# Altium PCB AIgle_Carrier_Board.PcbDoc (continued)
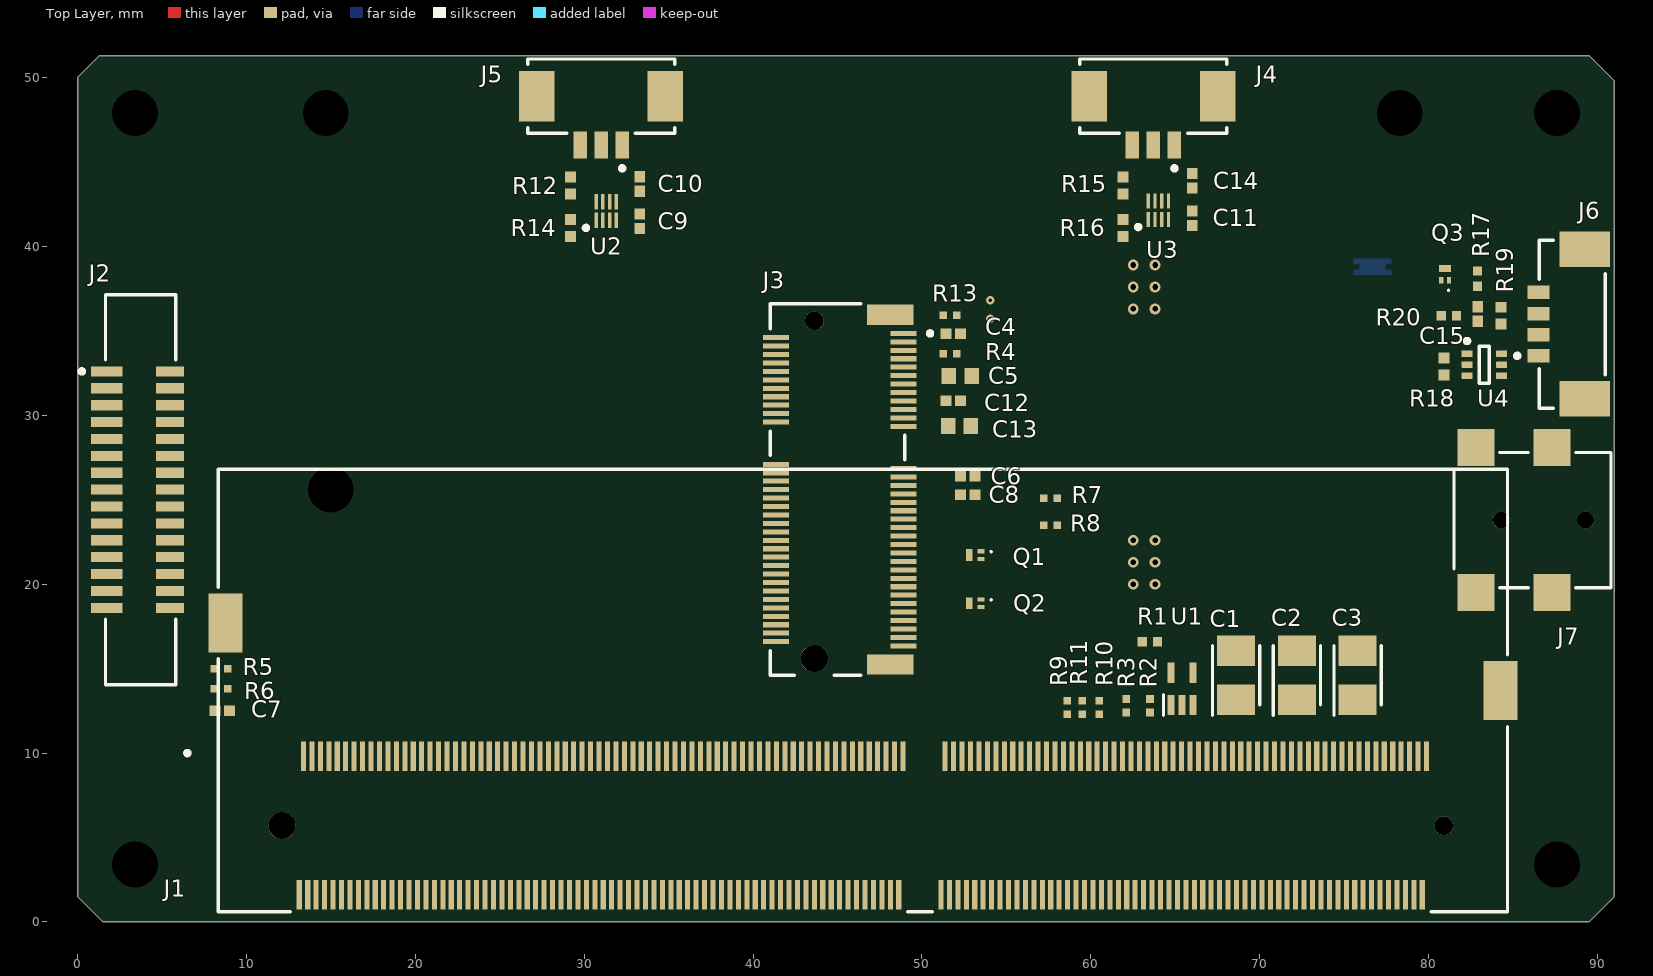
[diagram p0: Top Layer view]
## Footprints (in the part's own frame and the unit in brackets; to place one, negate y for a bottom-side part, rotate by r counter-clockwise, add the part's x,y. Pads: shape width x height; smd on the part's side, far side on the other; paste and mask are expansions set on the pad) (continued)
  rect 0.25x0.55 smd: 7(-0.75,-1.35) 8(-0.25,-1.35) 9(0.25,-1.35) 10(0.75,-1.35) 17(0.75,1.35) 18(0.25,1.35) 19(-0.25,1.35) 20(-0.75,1.35)
  rect 1.75x1.75 smd: 21(0,0)
  silkscreen extent -2.3,1.2 -2.1,1.4, body extent -1.5,-1.5 1.5,1.5, height 0.7
FAIR-SOD-123-2_V [mm] "SOD123, 2-Leads, Body 2.7x1.6mm"
  rect 0.88x1.02 smd: 1(-1.635,0) 2(1.635,0)
  silkscreen extent -0.92,-0.8 2.58,0.8, body extent -1.35,-0.8 1.35,0.8, height 1.28
FP-1-1734248-5-MFG [mm]
  rect 0.6x1.65 smd: 1(7,-1.75) 2(6,-1.75) 3(5,-1.75) 4(4,-1.75) 5(3,-1.75) 6(2,-1.75) 7(1,-1.75) 8(0,-1.75) 9(-1,-1.75) 10(-2,-1.75) 11(-3,-1.75) 12(-4,-1.75) 13(-5,-1.75) 14(-6,-1.75) 15(-7,-1.75)
  rect 0.6x1.85 smd: 1(7,2) 2(6,2) 3(5,2) 4(4,2) 5(3,2) 6(2,2) 7(1,2) 8(0,2) 9(-1,2) 10(-2,2) 11(-3,2) 12(-4,2) 13(-5,2) 14(-6,2) 15(-7,2)
  silkscreen extent -11.55,-2.07 11.55,3.6, body extent -11.65,-2.67 11.65,3.02, height 0.25
FP-6_541-5014_01-4-MFG [mm]
  rect 0.9x0.7 smd: 1(-1,0.95) 2(-1,-0.95) 3(1,0)
  silkscreen extent -0.71,-1.55 0.71,1.55, body extent -1.24,-1.48 1.24,1.47, height 1.15
FP-53261-0371-MFG [mm]
  rect 0.8x1.6 smd: 1(-1.25,2.9) 2(0,2.9) 3(1.25,2.9)
  rect 2.1x3 smd: 4(-3.8,0) 5(3.8,0)
  silkscreen extent -4.35,-2.2 4.35,4.4, body extent -4.95,-2.3 4.95,3.8, height 0.25
FP-2199230-4-MFG [mm]
  rect 0.3x1.55 smd: 1(-9.25,3.9) 2(-9,-3.65) 3(-8.75,3.9) 4(-8.5,-3.65) 5(-8.25,3.9) 6(-8,-3.65) 7(-7.75,3.9) 8(-7.5,-3.65) 9(-7.25,3.9) 10(-7,-3.65) 11(-6.75,3.9) 12(-6.5,-3.65) 13(-6.25,3.9) 14(-6,-3.65) 15(-5.75,3.9) 16(-5.5,-3.65) 17(-5.25,3.9) 18(-5,-3.65) 19(-4.75,3.9) 20(-4.5,-3.65) 21(-4.25,3.9) 22(-4,-3.65) 23(-3.75,3.9) 32(-1.5,-3.65) 33(-1.25,3.9) 34(-1,-3.65) 35(-0.75,3.9) 36(-0.5,-3.65) 37(-0.25,3.9) 38(0,-3.65) 39(0.25,3.9) 40(0.5,-3.65) 41(0.75,3.9) 42(1,-3.65) 43(1.25,3.9) 44(1.5,-3.65) 45(1.75,3.9) 46(2,-3.65) 47(2.25,3.9) 48(2.5,-3.65) 49(2.75,3.9) 50(3,-3.65) 51(3.25,3.9) 52(3.5,-3.65) 53(3.75,3.9) 54(4,-3.65) 55(4.25,3.9) 56(4.5,-3.65) 57(4.75,3.9) 58(5,-3.65) 59(5.25,3.9) 60(5.5,-3.65) 61(5.75,3.9) 62(6,-3.65) 63(6.25,3.9) 64(6.5,-3.65) 65(6.75,3.9) 66(7,-3.65) 67(7.25,3.9) 68(7.5,-3.65) 69(7.75,3.9) 70(8,-3.65) 71(8.25,3.9) 72(8.5,-3.65) 73(8.75,3.9) 74(9,-3.65) 75(9.25,3.9)
  rect 1.2x2.75 smd: 76(-10.35,3.125) 77(10.35,3.125)
  round 1.1 hole 1.1 unplated: ""(-10,-1.375)
  round 1.6 hole 1.6 unplated: ""(10,-1.375)
  silkscreen extent -11,-3.98 11,5.6, body extent -10.95,-4.23 10.95,4.48, height 4.2
FP-2309413-1-MFG [mm]
  rect 0.3x1.75 smd: 1(33.375,12.1) 2(33.125,3.9) 3(32.875,12.1) 4(32.625,3.9) 5(32.375,12.1) 6(32.125,3.9) 7(31.875,12.1) 8(31.625,3.9) 9(31.375,12.1) 10(31.125,3.9) 11(30.875,12.1) 12(30.625,3.9) 13(30.375,12.1) 14(30.125,3.9) 15(29.875,12.1) 16(29.625,3.9) 17(29.375,12.1) 18(29.125,3.9) 19(28.875,12.1) 20(28.625,3.9) 21(28.375,12.1) 22(28.125,3.9) 23(27.875,12.1) 24(27.625,3.9) 25(27.375,12.1) 26(27.125,3.9) 27(26.875,12.1) 28(26.625,3.9) 29(26.375,12.1) 30(26.125,3.9) 31(25.875,12.1) 32(25.625,3.9) 33(25.375,12.1) 34(25.125,3.9) 35(24.875,12.1) 36(24.625,3.9) 37(24.375,12.1) 38(24.125,3.9) 39(23.875,12.1) 40(23.625,3.9) 41(23.375,12.1) 42(23.125,3.9) 43(22.875,12.1) 44(22.625,3.9) 45(22.375,12.1) 46(22.125,3.9) 47(21.875,12.1) 48(21.625,3.9) 49(21.375,12.1) 50(21.125,3.9) 51(20.875,12.1) 52(20.625,3.9) 53(20.375,12.1) 54(20.125,3.9) 55(19.875,12.1) 56(19.625,3.9) 57(19.375,12.1) 58(19.125,3.9) 59(18.875,12.1) 60(18.625,3.9) 61(18.375,12.1) 62(18.125,3.9) 63(17.875,12.1) 64(17.625,3.9) 65(17.375,12.1) 66(17.125,3.9) 67(16.875,12.1) 68(16.625,3.9) 69(16.375,12.1) 70(16.125,3.9) 71(15.875,12.1) 72(15.625,3.9) 73(15.375,12.1) 74(15.125,3.9) 75(14.875,12.1) 76(14.625,3.9) 77(14.375,12.1) 78(14.125,3.9) 79(13.875,12.1) 80(13.625,3.9) 81(13.375,12.1) 82(13.125,3.9) 83(12.875,12.1) 84(12.625,3.9) 85(12.375,12.1) 86(12.125,3.9) 87(11.875,12.1) 88(11.625,3.9) 89(11.375,12.1) 90(11.125,3.9) 91(10.875,12.1) 92(10.625,3.9) 93(10.375,12.1) 94(10.125,3.9) 95(9.875,12.1) 96(9.625,3.9) 97(9.375,12.1) 98(9.125,3.9) 99(8.875,12.1) 100(8.625,3.9) 101(8.375,12.1) 102(8.125,3.9) 103(7.875,12.1) 104(7.625,3.9) 105(7.375,12.1) 106(7.125,3.9) 107(6.875,12.1) 108(6.625,3.9) 109(6.375,12.1) 110(6.125,3.9) 111(5.875,12.1) 112(5.625,3.9) 113(5.375,12.1) 114(5.125,3.9) 115(4.875,12.1) 116(4.625,3.9) 117(4.375,12.1) 118(4.125,3.9) 119(3.875,12.1) 120(3.625,3.9) 121(3.375,12.1) 122(3.125,3.9) 123(2.875,12.1) 124(2.625,3.9) 125(2.375,12.1) 126(2.125,3.9) 127(1.875,12.1) 128(1.625,3.9) 129(1.375,12.1) 130(1.125,3.9) 131(0.875,12.1) 132(0.625,3.9) 133(0.375,12.1) 134(0.125,3.9) 135(-0.125,12.1) 136(-0.375,3.9) 137(-0.625,12.1) 138(-0.875,3.9) 139(-1.125,12.1) 140(-1.375,3.9) 141(-1.625,12.1) 142(-1.875,3.9) 143(-2.125,12.1) 144(-2.375,3.9) 145(-4.625,12.1) 147(-5.125,12.1) 149(-5.625,12.1) 151(-6.125,12.1) 153(-6.625,12.1) 155(-7.125,12.1) 157(-7.625,12.1) 159(-8.125,12.1) 161(-8.625,12.1) 163(-9.125,12.1) 165(-9.625,12.1) 167(-10.125,12.1) 169(-10.625,12.1) 171(-11.125,12.1) 173(-11.625,12.1) 175(-12.125,12.1) 177(-12.625,12.1) 179(-13.125,12.1) 181(-13.625,12.1) 183(-14.125,12.1) 185(-14.625,12.1) 187(-15.125,12.1) 189(-15.625,12.1) 191(-16.125,12.1) 193(-16.625,12.1) 195(-17.125,12.1) 197(-17.625,12.1) 199(-18.125,12.1) 201(-18.625,12.1) 203(-19.125,12.1) 205(-19.625,12.1) 207(-20.125,12.1) 209(-20.625,12.1) 211(-21.125,12.1) 213(-21.625,12.1) 215(-22.125,12.1) 217(-22.625,12.1) 219(-23.125,12.1) 221(-23.625,12.1) 223(-24.125,12.1) 225(-24.625,12.1) 227(-25.125,12.1) 229(-25.625,12.1) 231(-26.125,12.1) 233(-26.625,12.1) 235(-27.125,12.1) 237(-27.625,12.1) 239(-28.125,12.1) 241(-28.625,12.1) 243(-29.125,12.1) 245(-29.625,12.1) 247(-30.125,12.1) 249(-30.625,12.1) 251(-31.125,12.1)
  rect 0.3x1.75 smd paste+0 mask+0: 146(-4.875,3.9) 148(-5.375,3.9) 150(-5.875,3.9) 152(-6.375,3.9) 154(-6.875,3.9) 156(-7.375,3.9) 158(-7.875,3.9) 160(-8.375,3.9) 162(-8.875,3.9) 164(-9.375,3.9) 166(-9.875,3.9) 168(-10.375,3.9) 170(-10.875,3.9) 172(-11.375,3.9) 174(-11.875,3.9) 176(-12.375,3.9) 178(-12.875,3.9) 180(-13.375,3.9) 182(-13.875,3.9) 184(-14.375,3.9) 186(-14.875,3.9) 188(-15.375,3.9) 190(-15.875,3.9) 192(-16.375,3.9) 194(-16.875,3.9) 196(-17.375,3.9) 198(-17.875,3.9) 200(-18.375,3.9) 202(-18.875,3.9) 204(-19.375,3.9) 206(-19.875,3.9) 208(-20.375,3.9) 210(-20.875,3.9) 212(-21.375,3.9) 214(-21.875,3.9) 216(-22.375,3.9) 218(-22.875,3.9) 220(-23.375,3.9) 222(-23.875,3.9) 224(-24.375,3.9) 226(-24.875,3.9) 228(-25.375,3.9) 230(-25.875,3.9) 232(-26.375,3.9) 234(-26.875,3.9) 236(-27.375,3.9) 238(-27.875,3.9) 240(-28.375,3.9) 242(-28.875,3.9) 244(-29.375,3.9) 246(-29.875,3.9) 248(-30.375,3.9) 250(-30.875,3.9) 252(-31.375,3.9) 253(-31.625,12.1) 254(-31.875,3.9) 255(-32.125,12.1) 256(-32.375,3.9) 257(-32.625,12.1) 258(-32.875,3.9) 259(-33.125,12.1) 260(-33.375,3.9)
  rect 2x3.5 smd paste+0 mask+0: 261(-37.75,0) 262(37.75,-4)
  round 1.1 hole 1.1 unplated: ""(-34.4,8)
  round 1.6 hole 1.6 unplated: ""(34.4,8)
  silkscreen extent -38.18,-13.1 40.12,13.1, body extent -39.1,-13.2 39.1,13.2, height 0.25
FP-533980471-MFG [mm]
  rect 0.8x1.3 smd: 1(1.875,-2) 2(0.625,-2) 3(-0.625,-2) 4(-1.875,-2)
  rect 2.1x3 smd: 5(-4.425,0.75) 6(4.425,0.75)
  silkscreen extent -4.97,-3.37 4.97,1.95, body extent -5.58,-2.75 5.58,2.35, height 0.25
FP-C0603-CG-MFG [mm]
  rect 0.75x0.9 smd: 1(-0.6,0) 2(0.6,0)
  silkscreen extent -0.87,-0.85 0.87,0.85, body extent -0.8,-0.4 0.8,0.4, height 0.9
FP-C-07431-MFG [mm]
  round 0.855 smd: 1-2-5-6(-0.325,0)
  rect 0.3x0.35 smd: 3(0.65,-0.925) 4(0.65,0.925)
  rect 0.235x0.87 smd: 7(0.667,0.04)
  Top Layer region: -0.8,1.1 -0.8,-1.1 -0.5,-1.1 -0.5,-0.75 -0.15,-0.75 -0.15,-1.1 0.15,-1.1 0.15,1.1 -0.15,1.1 -0.15,0.75 -0.5,0.75 -0.5,1.1 -0.8,1.1
  silkscreen extent -1.25,-1.78 1.25,1.07, body extent -1.02,-1.04 1.02,1.03, height 0.8
FP-DDA0008E-MFG [mm]
  rect 2.2x0.5 smd: 1(-2.875,1.905) 2(-2.875,0.635) 3(-2.875,-0.635) 4(-2.875,-1.905) 5(2.875,-1.905) 6(2.875,-0.635) 7(2.875,0.635) 8(2.875,1.905)
  rect 2.95x4.9 smd: 9(0,0)
  silkscreen extent -4.67,-2.83 2,2.83, body extent -3,-2.45 3,2.45, height 1.7
FP-GRM21-0_2-MFG [mm]
  rect 0.7x1.3 smd: 1(-0.95,0) 2(0.95,0)
  silkscreen extent -0.23,-0.72 0.23,0.72, body extent -1,-0.63 1,0.63, height 1.45
MICROSMP(ESMP) [mm]
  rect 2x1.1 smd: 1(-0.65,0)
  rect 0.8x0.8 smd: 2(1.25,0)
  silkscreen extent -2.41,-0.11 -2.24,0.07
NXP-SOT323-3_L [mm] "SOT323, 3-Leads, Body 2x1.3mm, Pitch 0.65mm, IPC High Density"
  rect 0.9x0.508 smd: 1(-0.9,0.65) 2(-0.9,-0.65) 3(0.9,0)
  silkscreen extent -1.02,-1.1 0.7,1.57, body extent -0.7,-1.1 0.7,1.1, height 1
RESC1005X40X25LL05T05 [mm] "Chip Resistor, 2-Leads, Body 1.00x0.50mm, IPC High Density"
  rect 0.45x0.45 smd: 1(-0.4,0) 2(0.4,0)
  body extent -0.53,-0.27 0.53,0.28, height 0.4
RESC1005X40X25ML05T05 [mm] "Chip Resistor, 2-Leads, Body 1.05x0.55mm, IPC Low Density"
  rect 0.65x0.65 smd: 1(-0.5,0) 2(0.5,0)
  body extent -0.53,-0.28 0.53,0.28, height 0.4
RESC1005X40X25NL05T05 [mm] "Chip Resistor, 2-Leads, Body 1.00x0.50mm, IPC Medium Density"
  rect 0.55x0.55 smd: 1(-0.45,0) 2(0.45,0)
  body extent -0.53,-0.27 0.53,0.28, height 0.4
"SMD 0805-Low profile" [mm] "Chip Inductor, 2-Leads, Body 2.1x1.3mm, IPC Medium Density"
  rect 0.7x1.45 smd: 1(-0.75,0) 2(0.75,0)
  body extent -1,-0.62 1,0.63, height 0.48
"SMD 0806" [mm] "Chip Inductor, 2-Leads, Body 2.1x1.6mm, IPC Medium Density"
  rect 0.8x1.8 smd: 1(-0.8,0) 2(0.8,0)
  body extent -1,-0.8 1,0.8, height 1
SON40P120X180X40-8N [mm]
  rect 0.9x0.2 smd: 1(-0.55,0.6) 2(-0.55,0.2) 3(-0.55,-0.2) 4(-0.55,-0.6) 5(0.55,-0.6) 6(0.55,-0.2) 7(0.55,0.2) 8(0.55,0.6)
  silkscreen extent -1.12,1.07 -0.88,1.32, body extent -0.65,-0.9 0.65,0.9, height 0.4
SOT65P210X110-3N [mil]
  rect 44x18 smd: 1(-38,26) 2(-38,-26) 3(38,0)
  silkscreen extent -27,-43 27,43
SOT65P210X110-5N [mm]
  rect 1.2x0.4 smd: 1(-0.95,0.65) 2(-0.95,0) 3(-0.95,-0.65) 4(0.95,-0.65) 5(0.95,0.65)
  silkscreen extent -1.55,1.1 -0.35,1.1, body extent -1.05,-1 1.05,1, height 1.1
SOT95P275X110-5N [mm]
  rect 1.25x0.6 smd: 1(-1.25,0.95) 2(-1.25,0) 3(-1.25,-0.95) 4(1.25,-0.95) 5(1.25,0.95)
  silkscreen extent -1.88,-1.5 0.28,1.5, body extent -1.37,-1.5 1.38,1.5, height 1.1

## Part data
C1 C2 C3: library part T520B337M006ATE040, "Capacitor Polarised", Manufacturer_Name=Kemet, Mouser Part Number=80-T520B337M06ATE040, Arrow Part Number=T520B337M006ATE040, Arrow Price/Stock=https://www.arrow.com/en/products/t520b337m006ate040/kemet-corporation, Datasheet Link=http://componentsearchengine.com/Datasheets/2/T520B337M006ATE040.pdf, Height=2.1mm, Manufacturer_Part_Number=T520B337M006ATE040, Mouser Price/Stock=https://www.mouser.com/Search/Refine.aspx?Keyword=80-T520B337M06ATE040
C4 C6 C7 C8 C9 C10 C11 C12 C14 C15 C18 C24 C29 C32 C33: library part CMP-2008-03087-1, Manufacturer=Kemet, Part Number=C0402C104K9RACTU
C5 C13 C21 C22 C30 C31: library part CMP-2006-02792-1, Manufacturer=Murata, Part Number=GRM188R60J106ME47D
C16 C17: library part CMP-06035-000059-1, "CAP CER 22UF 25V X5R 0805", Manufacturer=Murata, Manufacturer Part Number=GRM21BR61E226ME44L, Package=GRM21-0.2, Temperature="-55°C to +85°C", Temperature Characteristic=X5R, Temperature Coefficient=15%, Temperature Range High=+85°C, Temperature Range Low=-55°C, Tolerance=20%, Voltage Rating=25V, Automotive=No, Capacitance=22uF, Category=Cap, ComponentLink2Description=Datasheet, ComponentLink2URL=https://search.murata.co.jp/Ceramy/image/img/A01X/G101/ENG/GRM21BR61E226ME44-01A.pdf, Device Class L1="Passive Components", Device Class L2=Capacitors, Device Class L3="Ceramic Capacitors", Digikey Description="CAP CER 22UF 25V X5R 0805", Height=1.45mm, Ipc Land Pattern Name=CAPC200125X125, Lead Free=Yes, Material=Ceramic, Mouser Description="Multilayer Ceramic Capacitors MLCC - SMD/SMT 0805 22uF 25volts X5R 20%", Octopart=https://octopart.com/grm21br61e226me44l-murata-20025355, RoHS=TRUE
C19: library part CMP-2006-02459-1, Manufacturer=Murata, Part Number=GRM188R61E105KA12D
C20: library part CMP-03020-024641-1, "CAP CER 4.7UF 6.3V X5R 0603", Manufacturer=Kemet, Manufacturer Part Number=C0603C475K9PACTU, Package=C0603-CG, Temperature="-55°C to +85°C", Temperature Characteristic=X5R, Temperature Coefficient=15%, Temperature Range High=+85°C, Temperature Range Low=-55°C, Tolerance=10%, Voltage Rating=6.3V, Automotive=No, Capacitance=4.7uF, Category=Cap, ComponentLink2Description=Datasheet, ComponentLink2URL=https://content.kemet.com/datasheets/KEM_C1006_X5R_SMD.pdf, Device Class L1="Passive Components", Device Class L2=Capacitors, Device Class L3="Ceramic Capacitors", Digikey Description="CAP CER 4.7UF 6.3V X5R 0603", Height=0.9mm, Ipc Land Pattern Name=CAPC16080X80, Lead Free=Yes, Material=Ceramic, Mouser Description="Multilayer Ceramic Capacitors MLCC - SMD/SMT 6.3volts 4.7uF X5R 10%", Octopart=https://octopart.com/c0603c475k9pactu-kemet-104242, RoHS=TRUE
C23 C43: library part CMP-2008-03072-1, Manufacturer=Kemet, Part Number=C0402C103K4RACTU
C25 C26 C34 C35: library part CMP-2000-05440-1, "Chip Capacitor, 22 uF, +/- 20%, 6.3 V, -55 to 85 degC, 1608 (0603 Metric), RoHS, Tape and Reel", Capacitance=22µF, Manufacturer=TDK, Operating Temperature=-55degC~85degC, Package / Case=0603(1608Metric), Package Description="2-Pin Surface Mount Device, Body 1.6 x 0.8 mm", Package Reference=603, PCN Part Number=MLCCPartNumberChange30/Nov/2012, Ratings=-, Standard Package=1, Temperature Coefficient=X5R, Tolerance=±20%, Voltage - Rated=6.3V, Applications=GeneralPurpose, Category=Capacitors, Datasheet URL=http://www.farnell.com/datasheets/1913358.pdf, Datasheet Version=Mar-15, Design Resources=20WNon-IsolatedBuckLEDDriverUsingPLLNK460KG, Family=CeramicCapacitors, Features=-, Height - Seated (Max)=-, Kits=445-9003-KIT-ND-KITCAPCERHICAPMLCCSMD, Lead Spacing=-, Lead Style=-, Manufacturer URL=http://www.tdk.com/, Mounting Type=SurfaceMount,MLCC, Online Catalog=CSeries,GeneralPurpose, Other Names=445-8028-1, Packaging=CutTape(CT), Product Training Modules=CSeriesGeneralApplicationsSEAT,CCV,andTVCLDesignToolsGuidetoReplacinganElectrolyticCapacitorwithanMLCC, RoHS Information=RoHSCertificate-MLCC, Series=C, Size / Dimension="0.063\"Lx0.031\"W(1.60mmx0.80mm)", Thickness (Max)="0.039\"(1.00mm)"
C27 C36 C38 C41 C42: library part CMP-2008-02075-1, Manufacturer=Kemet, Part Number=C0402C105K9PAC7867
C28 C37: library part CMP-2008-03262-1, Manufacturer=Kemet, Part Number=C0402C822K5RACTU
C39: library part CMP-2008-03076-1, Manufacturer=Kemet, Part Number=C0402C103K9RACTU
C40: library part CMP-2008-02055-1, Manufacturer=Kemet, Part Number=C0402C225K9PACTU
D1: "TVS Diode (Uni-directional)", Arrow Part Number=MSMP20A-M3/89A, Manufacturer_Name=Vishay, Mouser Part Number=78-MSMP20A-M389A, Arrow Price/Stock=https://www.arrow.com/en/products/msmp20a-m389a/vishay, Datasheet Link=https://www.vishay.com/docs/89457/msmp6athrumsmp20a.pdf, Manufacturer_Part_Number=MSMP20A-M3/89A, Mouser Price/Stock=https://www.mouser.com/Search/Refine.aspx?Keyword=78-MSMP20A-M389A
D2: library part CMP-2000-06744-1, "Zener Diode, 18 V, -55 to 150 degC, 2-Pin SOD-123, RoHS, Tape and Reel", Forward voltage reference=10mA, Manuf. Code=FSC, Manufacturer=FairchildSemiconductor, Max. operating temperature=+150°C, Max. power=500mW, Operating temperature (min.)=-55°C, Package Description="2-Pin Surface Mount Device, Body 2.7 x 1.6 mm", Package Reference=SOD-123-2, Residual reverse leakage current=0.1µA, Zener voltage=18V, Category=Zenerdiode, Configuration=1diode, Datasheet URL=https://www.fairchildsemi.com/datasheets/MM/MMSZ5226B.pdf, Datasheet Version="Rev. 1.6, 10/2015", Enclosure=SOD123, Impedance=21Ω, Impedance reference=7mA, Manufacturer URL=https://www.fairchildsemi.com/, Mounting Technology=SurfaceMount, Mounting Type=Surface-mount, Type=MMSZ5248B, UF=900mV, Uz (max.)=18.9V, Uz(min.)=17.1V
D3: library part CMP-0417-00001-1, "SOT-323 Plastic-Encapsulated Diode", Manufacturer="NXP Semiconductors", Max Forward Current="200 mA", Non-repetitive Peak Reverse Current="600 mA", Storage Temperature="-65 to 150 degC", ComponentLink1Description="Manufacturer URL", ComponentLink1URL=http://www.nxp.com/, ComponentLink2Description=Datasheet, ComponentLink2URL=http://www.nxp.com/documents/data_sheet/BAT54W_SER.pdf, ComponentLink3Description="Package Specification", ComponentLink3URL=http://www.nxp.com/documents/outline_drawing/sot323_po.pdf, DatasheetVersion="Rev. 3, 11/2012", Mounting Technology="Surface Mount", PackageDescription="3-Pin SOT323, 2 x 1.3 mm Body, 0.65 mm Pitch", PackageReference=SOT323-3, PackageVersion=Mar-06, PartNumber=BAT54CW
D4: library part CMP-02541-000017-1, "DIODE ZENER 3.3V 300MW SOT23", Manufacturer=Vishay, Max Junction Temp=+150°C, Max Reverse Leakage Current=5uA, Max Zener Voltage=3.5V, Nom Zener Voltage=3.3V, Package=6.541-5014.01-4, Power Dissipation=300mW, Reverse Voltage=1V, Temperature="-55°C to +150°C", Temperature Range Low=-55°C, Automotive=No, Category=Diode, ComponentLink2Description=Datasheet, ComponentLink2URL=http://www.vishay.com/docs/85763/bzx84v.pdf, Device Class L1="Discrete Semiconductors", Device Class L2=Diodes, Device Class L3="Zener Diodes", Digikey Description="DIODE ZENER 3.3V 300MW SOT23", Height=1.15mm, Lead Free=Yes, Manufacturer Part Number=BZX84C3V3-E3-08, Mouser Description="Zener Diodes 3.3 Volt 0.35W 5%", Octopart=https://octopart.com/bzx84c3v3-e3-08-vishay-30324846, RoHS=TRUE, Temperature Range High=+150°C, Zener Impedance=95Ω
J1: library part CMP-03356-000001-1, "DDR4 SODIMM 260P 9.2H STD", Current Rating=0.5A, Manufacturer="TE Connectivity", Package=0, Temperature="-55°C to +85°C", Temperature Range High=+85°C, Temperature Range Low=-55°C, Voltage Rating=25V, Automotive=No, Category=Conn, ComponentLink2Description=Datasheet, ComponentLink2URL=https://www.te.com/commerce/DocumentDelivery/DDEController?Action=showdoc&DocId=Specification+Or+Standard%7F108-115122%7FA1%7Fpdf%7FEnglish%7FENG_SS_108-115122_A1.pdf%7F2309413-1, Conn Orientation=Horizontal, Contact Material=Gold,Nickel, Device Class L1=Connectors, Device Class L2="Memory Connectors", Device Class L3=unset, Digikey Description="DDR4 SODIMM 260P 9.2H STD", Footprint Url=https://www.te.com/commerce/DocumentDelivery/DDEController?Action=showdoc&DocId=Customer+Drawing%7F2309413%7F4%7Fpdf%7FEnglish%7FENG_CD_2309413_4.pdf%7F2309413-1, Height=18.8mm, Is Female=yes, Lead Free=Yes, Manufacturer Part Number=2309413-1, Memory Type=SDRAM,DDR, Mouser Description="Conn DDR4 DIMM Socket SKT 260 POS 0.5mm Solder RA SMD T/R", Number Of Contacts=260, Octopart=https://octopart.com/2309413-1-te+connectivity-84799194, Pitch=0.5mm, RoHS=TRUE
J2: library part CMP-03368-000001-1, "CONN FPC VERT 15POS 1.00MM SMD", Current Rating=1A, Manufacturer=TE, Package=0, Temperature="-20°C to +85°C", Temperature Range High=+85°C, Temperature Range Low=-20°C, Voltage Rating=125V, Automotive=No, Category=Conn, ComponentLink2Description=Datasheet, ComponentLink2URL=https://www.te.com/commerce/DocumentDelivery/DDEController?Action=showdoc&DocId=Customer+Drawing%7F1734248%7FE1%7Fpdf%7FEnglish%7FENG_CD_1734248_E1__.pdf%7F1-1734248-5, Conn Gender=Female, Conn Orientation=Vertical, Contact Material=Gold,Nickel, Device Class L1=Connectors, Device Class L2="FFC / FPC", Device Class L3=unset, Digikey Description="CONN FPC VERT 15POS 1.00MM SMD", Height=8mm, Is Female=yes, Lead Free=Yes, Manufacturer Part Number=1-1734248-5, Mounting Type="Surface Mount", Mouser Description="FFC & FPC Connectors 15P 1.0 FPC, Zip V/T SMT", Number Of Contacts=15, Octopart=https://octopart.com/1-1734248-5-te+connectivity-40620898, Pitch=1mm, RoHS=TRUE
J3: library part CMP-03365-000002-1, "CONN FEMALE 67POS 0.020 GOLD", Current Rating=0.5A, Manufacturer="TE Connectivity", Package=0, Temperature="-40°C to +80°C", Temperature Range High=+80°C, Temperature Range Low=-40°C, Voltage Rating=50V, Automotive=No, Category=Conn, ComponentLink2Description=Datasheet, ComponentLink2URL=https://www.te.com/commerce/DocumentDelivery/DDEController?Action=showdoc&DocId=Customer+Drawing%7F2199230%7FB3%7Fpdf%7FEnglish%7FENG_CD_2199230_B3.pdf%7F2199230-4, Conn Gender=Female, Conn Orientation="Right Angle", Contact Material=Gold,Nickel, Device Class L1=Connectors, Device Class L2="Card Edge Connectors", Device Class L3=unset, Digikey Description="CONN FEMALE 67POS 0.020 GOLD", Height=4.2mm, Is Female=yes, Lead Free=Yes, Manufacturer Part Number=2199230-4, Mouser Description="PCI Express / PCI Connectors .5PITCH 4.2H KEY E EMBOSS NGFF MINICARD", Number Of Contacts=67, Number Of Rows=2, Octopart=https://octopart.com/2199230-4-te+connectivity-46436156, Pitch=0.5mm, RoHS=TRUE
J4 J5: library part CMP-04776-000071-1, "CONN HEADER SMD R/A 3POS 1.25MM", Ambient Temperature Range High=+105°C, Ambient Temperature Range Low=-40°C, Current Rating=1A, Manufacturer=Molex, Package=0, Temperature="-40°C to +105°C", Voltage Rating=125V, Automotive=No, Category=Conn, ComponentLink2Description=Datasheet, ComponentLink2URL=https://www.molex.com/webdocs/datasheets/pdf/en-us/0532610371_PCB_HEADERS.pdf, Conn Gender=Male, Conn Orientation="Right Angle", Contact Material=Tin,Nickel, Device Class L1=Connectors, Device Class L2="Headers and Wire Housings", Device Class L3=unset, Digikey Description="CONN HEADER SMD R/A 3POS 1.25MM", Footprint Url=https://www.molex.com/pdm_docs/sd/532610371_sd.pdf, Height=3.6mm, Lead Free=Yes, Manufacturer Part Number=53261-0371, Mouser Description="1.25mm (.049\") Pitch PicoBlade Header, Surface Mount, Right Angle, Lead-free, 3 Circuits", Number Of Contacts=3, Number Of Rows=1, Octopart=https://octopart.com/53261-0371-molex-655314, Pitch=1.25mm, RoHS=TRUE, Temperature Range High=+105°C, Temperature Range Low=-40°C
J6: library part CMP-04776-000105-1, "CONN HEADER SMD 4POS 1.25MM", Ambient Temperature Range High=+105°C, Ambient Temperature Range Low=-40°C, Current Rating=1A, Manufacturer=Molex, Package=0, Temperature="-40°C to +105°C", Voltage Rating=125V, Automotive=No, Category=Conn, ComponentLink2Description=Datasheet, ComponentLink2URL=https://www.molex.com/pdm_docs/ps/PS-51021-024-001.pdf, Conn Gender=Male, Conn Orientation=Vertical, Contact Material=Tin, Device Class L1=Connectors, Device Class L2="Headers and Wire Housings", Device Class L3=unset, Digikey Description="CONN HEADER SMD 4POS 1.25MM", Footprint Url=https://www.molex.com/pdm_docs/sd/533980471_sd.pdf, Height=5.1mm, Lead Free=Yes, Manufacturer Part Number=533980471, Number Of Contacts=4, Number Of Rows=1, Octopart=https://octopart.com/53398-0471-molex-655296, Pitch=1.25mm, RoHS=TRUE, Standoff Height=0.05mm, Temperature Range High=+105°C, Temperature Range Low=-40°C
J7: library part CMP-1502-00174-1, "DC Power Jack Connector Low Profile with 4 soldering pads & Pegs WR-DC, Male, Right Angled, SMT, 5 A, 18 V", Manufacturer="Wurth Elektronik", Operating Temperature=-40to85degC, Rated Current=5A, Working Voltage=18V, Datasheet URL=http://katalog.we-online.de/em/datasheet/6941xx107102.pdf, Gender=Male, Manufacturer URL=http://www.we-online.de, Mounting Technology=SMT, Opening Diameter=3.9mm, Orientation=RightAngled, Package Reference=694102107102, Packaging=TapeandReel, Part Number=694102107102, Plug Inner Diameter=1.05mm, Plug Outer Diameter=3.5mm, Publisher=WurthElektronik
L1: library part CMP-1392-00058-1, "Power Multilayer Inductor WE-PMI, L=3.30 µH", Inductance="3.30 ÂµH", Manufacturer="Wuerth Elektronik", PartNumber=74479776233, ComponentLink1Description="Manufacturer URL", ComponentLink1URL=http://www.we-online.com, ComponentLink2Description=Datasheet, ComponentLink2URL=http://katalog.we-online.de/kataloge/eisos/media/pdf/74479776233A.pdf, PackageReference="SMD 0806"
L2: library part CMP-1392-00044-1, "Power Multilayer Inductor WE-PMI, L=2.20 µH", Inductance="2.20 ÂµH", Manufacturer="Wuerth Elektronik", PartNumber=74479774222, ComponentLink1Description="Manufacturer URL", ComponentLink1URL=http://www.we-online.com, ComponentLink2Description=Datasheet, ComponentLink2URL=http://katalog.we-online.de/kataloge/eisos/media/pdf/74479774222.pdf, PackageReference="SMD 0805-Low profile"
Q1 Q2 Q3 Q6 Q7: "MOSFET (N-Channel)", Manufacturer_Name="Diodes Inc.", Mouser Part Number=621-DMN26D0UFB4-7, Arrow Part Number=DMN26D0UFB4-7, Arrow Price/Stock=https://www.arrow.com/en/products/dmn26d0ufb4-7/diodes-incorporated, Datasheet Link=https://componentsearchengine.com/Datasheets/1/DMN26D0UFB4-7.pdf, Height=0.4mm, Manufacturer_Part_Number=DMN26D0UFB4-7, Mouser Price/Stock=https://www.mouser.co.uk/ProductDetail/Diodes-Incorporated/DMN26D0UFB4-7?qs=GWgl%252BsiMZr%252B4pznsTuF3iQ%3D%3D
Q4: library part CMP-02550-000185-1, "MOSFET P-CH 30V 12A SC70-6", Continuous Drain Current=-10A, Drain To Source Breakdown Voltage=-30V, Drain To Source Resistance=0.016Ω, Gate To Source Voltage=20V, Input Capacitace At Vds="1550pF @ -15V", Manufacturer=Vishay, Max Forward Diode Voltage=-1.2V, Max Junction Temp=+150°C, Package=C-07431, Power Dissipation=3.5W, Pulse Drain Current=-40A, Temperature="-55°C to +150°C", Temperature Range Low=-55°C, Typ Forward Diode Voltage=-0.8V, Automotive=No, Category=Trans, ComponentLink2Description=Datasheet, ComponentLink2URL=http://www.vishay.com/docs/62779/sia483dj.pdf, Depletion Mode=False, Device Class L1="Discrete Semiconductors", Device Class L2=Transistors, Device Class L3=MOSFETs, Digikey Description="MOSFET P-CH 30V 12A SC70-6", Drain To Source Voltage=-30V, Gate Charge At Vgs="29nC @ -10V", Height=0.8mm, Lead Free=Yes, Manufacturer Part Number=SIA483DJ-T1-GE3, Mouser Description="MOSFET -30V 21mOhm@10V 12A P-Ch G-III", Number of Channels=1, Number Of P Channels=1, Octopart=https://octopart.com/sia483dj-t1-ge3-vishay-45727624, Reverse Recovery Charge=10nC, Reverse Recovery Time=17ns, RoHS=TRUE, Rthja Max=28°C/W, Standoff Height=0mm, Temperature Range High=+150°C, Threshold Vgs Max=-2.2V, Threshold Vgs Min=-1V, Transconductance=23S, Turn Off Delay Time=27ns, Turn On Delay Time=10ns
Q5: "Undefined or Miscellaneous", Manufacturer_Name="Diodes Inc.", Mouser Part Number=621-BSS84W-F, Arrow Part Number=BSS84W-7-F, Arrow Price/Stock=https://www.arrow.com/en/products/bss84w-7-f/diodes-incorporated, Datasheet Link=http://componentsearchengine.com/Datasheets/1/BSS84W-7-F.pdf, Manufacturer_Part_Number=BSS84W-7-F, Mouser Price/Stock=https://www.mouser.co.uk/ProductDetail/Diodes-Incorporated/BSS84W-7-F?qs=C%2FiXDRqWM5gURToIay7bAQ%3D%3D
Q8: library part CMP-2000-05568-1, "N-Channel Enhancement Mode Field Effect Transistor, 60 V (VDS), 0.115 A (IDS), -55 to 150 degC, 3-Pin SOT323, RoHS, Tape and Reel", Id - Continuous Drain Current=115mA, Manufacturer=DiodesIncorporated, Maximum Operating Temperature=+150C, Minimum Operating Temperature=-55C, Package / Case=SOT-323-3, Package Description="3-Pin Small Outline Transistor, Body 2 x 1.25 mm, Pitch 0.65 mm", Package Reference=SOT323, Pd - Power Dissipation=200mW, Rds On - Drain-Source Resistance=2.6Ohms, Vds - Drain-Source Breakdown Voltage=70V, Vgs - Gate-Source Voltage=20V, Brand=DiodesIncorporated, Channel Mode=Enhancement, Configuration=Single, Datasheet URL=http://www.diodes.com/_files/datasheets/ds30099.pdf, Datasheet Version="Rev. 14-2, 09/2013", Factory Pack Quantity=3000, Forward Transconductance - Min=0.08S, Height=1mm, Length=2.2mm, Manufacturer URL=http://www.diodes.com/, Mounting Style=SMD/SMT, Mounting Technology=SurfaceMount, Number of Channels=1Channel, Packaging=Reel, Product=MOSFETSmallSignal, Product Category=MOSFET, RoHS=True, Series=2N7002, Technology=Si, Transistor Polarity=N-Channel, Transistor Type=1N-Channel, Type=EnhancementModeFieldEffectTransistor, Typical Turn-Off Delay Time=11ns, Typical Turn-On Delay Time=7ns, Unit Weight=0.000212oz, Width=1.35mm
R1 R17 R20 R24 R27 R34 R41: library part CMP-2002-08136-1, Manufacturer="Vishay Dale", Part Number=CRCW040210K0JNED
R2 R3 R4 R5 R6 R7 R8 R9 R10 R11 R13: library part CMP-2002-00026-1, Manufacturer="Vishay Dale", Part Number=CRCW040247K0JNED
R12 R14 R15 R16 R18 R22 R25 R30 R31 R32 R46 R48 R49 R51 R55: library part CMP-2002-08123-2, "Chip Resistor, 100 KOhm, +/- 1%, 0.63 W, -55 to 155 degC, 0402 (1005 Metric), RoHS, Tape and Reel", Case Code (Imperial)=0402, Case Code (Metric)=1005, Max Operating Temperature="155 degC", Min Operating Temperature="-55 degC", Package Quantity=10000, Power Rating="63 mW", Resistance="100 kohm", Tolerance=1%, Type (Resistor)="Thick Film", Voltage Rating="50 V", Case\Package=0402, ComponentLink1Description="Manufacturer URL", ComponentLink1URL=http://www.vishay.com/, ComponentLink2Description=Datasheet, ComponentLink2URL=http://www.vishay.com/docs/20035/dcrcwe3.pdf, DatasheetVersion=06/2012, Height="0.35 mm", Length="1 mm", Mount="Surface Mount", Mounting Technology="Surface Mount", PackageDescription="2-Pin Surface Mount Device, Body 1 x 0.5 mm", PackageReference=0402, Packaging="Tape and Reel", Pins=2, Radiation Hardening=No, REACH SVHC=Unknown, RoHSCompliant=true, Weight="2.3E-05 oz", Width="0.5 mm"
R19 R36: library part CMP-2002-00053-1, Manufacturer="Vishay BCcomponents", Part Number=CRCW04024K70JNED
R21: library part CMP-2002-08342-1, Manufacturer="Vishay Dale", Part Number=CRCW04021R00FKED
R23: library part CMP-2002-08244-1, Manufacturer="Vishay Dale", Part Number=CRCW0402174KFKED
R26: library part CMP-2002-08550-1, Manufacturer="Vishay Dale", Part Number=CRCW040236K0FKED
R28: library part CMP-2002-08173-1, Manufacturer="Vishay Dale", Part Number=CRCW0402124KFKED
R29 R43: library part CMP-2002-08380-1, Manufacturer="Vishay Dale", Part Number=CRCW040222K1FKED
R33: library part CMP-2002-08151-1, Manufacturer="Vishay Dale", Part Number=CRCW0402110RJNED
R35 R37 R38 R39 R40 R44 R45 R47: library part CMP-2002-08135-1, Manufacturer="Vishay Dale", Part Number=CRCW040210K0FKED
R42: library part CMP-2002-00203-1, Manufacturer="Vishay Dale", Part Number=CRCW040273K2FKED
R50: library part CMP-2002-00563-1, Manufacturer=Panasonic, Part Number=ERJ-2GEJ5R6X
R52: library part CMP-2002-00271-1, Manufacturer="Vishay Dale", Part Number=CRCW040291K0JNED
R53: library part CMP-2002-08207-1, Manufacturer="Vishay Dale", Part Number=CRCW040214K0FKED
R54: library part CMP-2002-00117-1, Manufacturer="Vishay Dale", Part Number=CRCW04025K11FKED
U1: "Integrated Circuit", Manufacturer_Name="Texas Instruments", Mouser Part Number=595-SN74LVC1G07DCKE4, Arrow Part Number=SN74LVC1G07DCKRE4, Arrow Price/Stock=https://www.arrow.com/en/products/sn74lvc1g07dckre4/texas-instruments, Datasheet Link=http://www.ti.com/lit/ds/symlink/sn74lvc1g07.pdf, Height=1.1mm, Manufacturer_Part_Number=SN74LVC1G07DCKRE4, Mouser Price/Stock=https://www.mouser.co.uk/ProductDetail/Texas-Instruments/SN74LVC1G07DCKRE4?qs=pajgIaoyDUhxFR39KLTAuA%3D%3D
U2 U3: "Integrated Circuit", Manufacturer_Name="Texas Instruments", Mouser Part Number=595-TXB0302DQMR, Arrow Part Number=TXB0302DQMR, Arrow Price/Stock=https://www.arrow.com/en/products/txb0302dqmr/texas-instruments, Datasheet Link=http://www.ti.com/lit/gpn/txb0302, Height=0.4mm, Manufacturer_Part_Number=TXB0302DQMR, Mouser Price/Stock=https://www.mouser.co.uk/ProductDetail/Texas-Instruments/TXB0302DQMR?qs=5771e39Rz9HEpqtrmqNQ0Q%3D%3D
U4: library part CMP-0859-00452-3, "Single-Bit Dual-Supply Bus Transceiver with Configurable Voltage Translation and 3-State Outputs, DCK0006A, LARGE T&R", F @ Nom Voltage(Max)(Mhz)=150, Generic Part Number=SN74LVC1T45, ICC @ Nom Voltage(Max)(mA)=0.004, Manufacturer="Texas Instruments", Operating Temperature Range(C)="-40 to 85", Rating=Catalog, tpd @ Nom Voltage(Max)(ns)=15.5,8,5.8,4.4, Voltage(Nom)(V)=1.8,2.5,3.3,5, 3-State Output=Yes, Bits(#)=1, DatasheetVersion=SCES515K, Input Type=CMOS/TTL, Logic=True, Output Drive (IOL/IOH)(Max)(mA)=32/-32, Output Type=CMOS, PackageReference=DCK0006A, Schmitt Trigger=No, Sub-Family="Dual Supply Translator", Technology Family=LVC, VCC(Max)(V)=5.5, VCC(Min)(V)=1.65
U5 U10: library part CMP-04918-000091-1, "IC REG BUCK ADJUSTABLE 5A 8SOPWR", Ambient Temperature Range High=+85°C, Ambient Temperature Range Low=-40°C, Manufacturer="Texas Instruments", Max Junction Temp=+150°C, Max Supply Voltage=18V, Min Supply Voltage=4.5V, Nominal Supply Current=900uA, Output Current=5mA, Output Voltage=0.76-6V, Package=DDA0008E, Switching Frequency=650kHz, Temperature="-40°C to +85°C", Automotive=No, Category=IC, ComponentLink2Description=Datasheet, ComponentLink2URL=http://www.ti.com/lit/ds/symlink/tps54527.pdf, Device Class L1="Integrated Circuits (ICs)", Device Class L2="Power Management ICs", Device Class L3="Voltage Regulators - Switching", Digikey Description="IC REG BUCK ADJUSTABLE 5A 8SOPWR", Height=1.7mm, Ipc Land Pattern Name=SOP127P600X170-8, Lead Free=Yes, Manufacturer Part Number=TPS54527DDAR, Max Duty Cycle=85%, Mouser Description="4.5V to 18V Input, 5-A Synchronous Step-Down Converter 8-SO PowerPAD -40 to 85", Number Of Outputs=1, Octopart=https://octopart.com/tps54527ddar-texas+instruments-20362751, Output Type=AdjustableProgrammable, RoHS=TRUE, Standoff Height=0mm, Switching Topology=Buck, Temperature Range High=+85°C, Temperature Range Low=-40°C
U6: "Integrated Circuit", Manufacturer_Name="ON Semiconductor", Mouser Part Number=863-NCP301LSN20T1G, Arrow Part Number=NCP301LSN20T1G, Arrow Price/Stock=https://www.arrow.com/en/products/ncp301lsn20t1g/on-semiconductor, Datasheet Link=http://www.onsemi.com/pub/Collateral/NCP300-D.PDF, Height=1.1mm, Manufacturer_Part_Number=NCP301LSN20T1G, Mouser Price/Stock=https://www.mouser.co.uk/ProductDetail/ON-Semiconductor/NCP301LSN20T1G?qs=%2FugrpAKHX8q7C9Mzamhz3w%3D%3D
U7 U8: "Integrated Circuit", Manufacturer_Name="Texas Instruments", Mouser Part Number=595-SN74LV1T125DCKR, Arrow Part Number=SN74LV1T125DCKR, Arrow Price/Stock=https://www.arrow.com/en/products/sn74lv1t125dckr/texas-instruments, Datasheet Link=http://www.ti.com/lit/gpn/sn74lv1t125, Height=1.1mm, Manufacturer_Part_Number=SN74LV1T125DCKR, Mouser Price/Stock=https://www.mouser.co.uk/ProductDetail/Texas-Instruments/SN74LV1T125DCKR?qs=8sOby8ZxZLEEpIbhoTKj7w%3D%3D
U9: library part CMP-0859-00290-3, "Single Buffer/Driver With Open-Drain Output, DCK0005A, LARGE T&R", F @ Nom Voltage(Max)(Mhz)=150, Generic Part Number=SN74LVC1G07, ICC @ Nom Voltage(Max)(mA)=0.01, Manufacturer="Texas Instruments", Operating Temperature Range(C)="-40 to 125,-40 to 85", Rating=Catalog, tpd @ Nom Voltage(Max)(ns)=8.6,6,4.7,4, Voltage(Nom)(V)=1.8,2.5,3.3,5, 3-State Output=No, Bits(#)=1, DatasheetVersion=SCES296AC, Input Type=CMOS/TTL, Logic=True, Output Drive (IOL/IOH)(Max)(mA)=32/-32, Output Type=CMOS, PackageReference=DCK0005A, Schmitt Trigger=No, Sub-Family="Non-Inverting Buffer/Driver", Technology Family=LVC, VCC(Max)(V)=5.5, VCC(Min)(V)=1.65
U11: "Integrated Circuit", Manufacturer_Name="Silicon Labs", Mouser Part Number=634-8SB10F2GAQF20, Arrow Part Number=EFM8SB10F2G-A-QFN20, Arrow Price/Stock=https://www.arrow.com/en/products/efm8sb10f2g-a-qfn20/silicon-labs, Datasheet Link=https://www.silabs.com/documents/public/data-sheets/efm8sb1-datasheet.pdf, Height=0.6mm, Manufacturer_Part_Number=EFM8SB10F2G-A-QFN20, Mouser Price/Stock=https://www.mouser.co.uk/ProductDetail/Silicon-Labs/EFM8SB10F2G-A-QFN20?qs=DCjbIwhU0Zv4HMgdSm4N7w%3D%3D
U12: library part CMP-0395-00672-2, "Single Output High PSRR LDO, 500 mA, Fixed 3.3 V Output, 2.7 to 6.5 V Input, with Low IQ, 6-pin SON (DRV), -40 to 125 degC, Green (RoHS & no Sb/Br)", Manufacturer="Texas Instruments", Accuracy(%)=2, ComponentLink1Description="Manufacturer URL", ComponentLink1URL=http://www.ti.com/, ComponentLink2Description=Datasheet, ComponentLink2URL=http://www.ti.com/general/docs/lit/getliterature.tsp?genericPartNumber=TPS73533&fileType=pdf, ComponentLink3Description="Package Specification", ComponentLink3URL=http://www.ti.com/litv/pdf/mpds216d, DatasheetVersion=SBVS087J, Eco-Plan="Green (RoHS & no Sb/Br)", Fixed Output Options(V)=3.3, Iout(Max)(A)=0.5, Iq(Typ)(mA)=0.04, Mounting Technology="Surface Mount", PackageDescription="6-Pin Plastic Small Outline No-Lead, Body 2 x 2 mm, Pitch 0.65 mm", PackageReference=DRV0006A, PackageVersion=4206925/E, PartNumber=TPS73533DRVT, SubFamily="Single Channel LDO", Vdo(Typ)(mV)=280, Vin(Max)(V)=6.5, Vin(Min)(V)=2.7, Vout Adj(Max)(V)=3.3, Vout Adj(Min)(V)=3.3
U13: library part CMP-0394-01053-2, "Single Output LDO, 200 mA, Fixed 1.8 V Output, 2 to 5.5 V Input, with Low IQ, 5-pin SOT (DDC), -40 to 125 degC, Green (RoHS & no Sb/Br)", Manufacturer="Texas Instruments", Accuracy(%)=2, Code_JEDEC=MO-193, ComponentLink1Description="Manufacturer URL", ComponentLink1URL=http://www.ti.com/, ComponentLink2Description=Datasheet, ComponentLink2URL=http://www.ti.com/general/docs/lit/getliterature.tsp?genericPartNumber=TLV70018&fileType=pdf, ComponentLink3Description="Package Specification", ComponentLink3URL=http://www.ti.com/litv/pdf/mpds123d, DatasheetVersion=SLVSA00D, Eco-Plan="Green (RoHS & no Sb/Br)", Fixed Output Options(V)=1.8, Iout(Max)(A)=0.2, Iq(Typ)(mA)=0.03, Mounting Technology="Surface Mount", PackageDescription="5-Pin Plastic Small Outline, Body 2.9 x 1.6 mm, 0.95 mm Pitch", PackageReference=DDC0005A, PackageVersion=4204403-2/E, PartNumber=TLV70018DDCT, SubFamily="Single Channel LDO", Vdo(Typ)(mV)=175, Vin(Max)(V)=5.5, Vin(Min)(V)=2, Vout Adj(Max)(V)=1.8, Vout Adj(Min)(V)=1.8

## Free pads (board coordinates)
  round 1.524 hole 2.7 unplated: 1(3.4,3.4) 1(3.4,47.9) 1(14.7,47.9) 1(15,25.6) 1(78.3,47.9) 1(87.6,3.4) 1(87.6,47.9)

## Via types
v1: diameter 0.63, hole 0.33, Top Layer to Bottom Layer, 12 vias
v2: diameter 0.5, hole 0.2, Top Layer to Bottom Layer, 2 vias

## Nets (pads, with @x,y where several pads share a name; then routed paths per layer and width w, separated by ;. In a path a pad name is that pad's centre, name@x,y a point inside that pad or via, vN(x,y) a via of type N, cw(c..) or ccw(c..) an arc to the next point about the centre after c; other vN are vias at no path point)
3V3_AO: C32.1 C40.2 R32.2 R35.2 R36.2 R37.2 R38.2 R39.2 R40.2 U7.5 U9.5 U11.4 U12.1
FAN_PWM_Q: J6.4 R19.2 U4.4
FORCE_OFF*: C43.2 D3.1 D3.2 D4.3 R53.1 R54.2 U11.14
GND: C4.1 C5.1 C7.1 C9.1 C10.2 C11.1 C12.1 C13.1 C14.2 C15.2 C16.2 C17.2 C18.2 C20.2 C21.1 C22.1 C23.1 C25.1 C26.1 C27.1 C28.1 C29.2 C30.1 C31.1 C32.2 C34.1 C35.1 C36.1 C37.1 C38.1 C39.1 C40.1 C41.1 C42.1 C43.1 D1.1 D2.1 D4.1 J1.1 J1.2 J1.7 J1.8 J1.13 J1.14 J1.19 J1.20 J1.25 J1.26 J1.31 J1.32 J1.37 J1.38 J1.43 J1.44 J1.49 J1.50 J1.55 J1.56 J1.61 J1.62 J1.67 J1.68 J1.73 J1.74 J1.79 J1.80 J1.85 J1.86 J1.102 J1.107 J1.113 J1.119 J1.125 J1.129 J1.132 J1.135 J1.138 J1.141 J1.144 J1.146 J1.147 J1.152 J1.153 J1.158 J1.159 J1.164 J1.165 J1.170 J1.171 J1.176 J1.177 J1.200 J1.201 J1.217 J1.231 J1.241 J1.242 J1.243 J1.244 J1.245 J1.246 J1.247 J1.248 J1.249 J1.250 J1.261 J1.262 J2.1 J2.4 J2.7 J2.10 J3.1 J3.7 J3.18 J3.33 J3.39 J3.45 J3.51 J3.57 J3.63 J3.69 J3.75 J3.76 J3.77 J4.3 J4.4 J4.5 J5.3 J5.4 J5.5 J6.1 J6.5 J6.6 J7.2 J7.3 Q1.1 Q2.1 Q6.1 Q7.1 Q8.2 R14.1 R16.1 R18.2 R19.1 R25.2 R26.1 R29.1 R30.2 R31.1 R43.1 R44.1 R45.1 R46.1 R47.1 R54.1 R55.1 U1.3 U2.4 U3.4 U4.2 U4.5 U5.5 U5.9 U6.3 U6.4 U6.5 U7.1 U7.3 U8.1 U8.3 U9.3 U10.5 U10.9 U11.3 U11.12 U11.21 U12.3 U12.5 U12.7@54.05,36.265 U13.2 U13.4
  other v1: 62.5,20 63.8,20 62.5,21.3 63.8,21.3 62.5,22.6 63.8,22.6 62.5,36.3 63.8,36.3 62.5,37.6 63.8,37.6 62.5,38.9 63.8,38.9
  other v2: 54.05,35.715 54.05,36.815
NetC1_1: C1.1 C2.1 C3.1 J1.251 J1.252 J1.253 J1.254 J1.255 J1.256 J1.257 J1.258 J1.259 J1.260
NetC6_1: C6.1 J1.174
NetC6_2: C6.2 J3.35
NetC8_1: C8.1 J1.172
NetC8_2: C8.2 J3.37
NetC18_1: C18.1 C19.2 D1.2 D2.2 J7.1 Q4.4 R21.2 R22.1
NetC19_1: C19.1 Q4.3 R22.2 R25.1
NetC20_1: C20.1 R21.1
NetC23_2: C23.2 R23.1 R26.2 U6.2
NetC24_1: C24.1 L1.1 U5.6
NetC24_2: C24.2 U5.7
NetC27_2: C27.2 U5.3
NetC28_2: C28.2 U5.4
NetC29_1: C29.1 R32.1 R33.2 U11.16
NetC33_1: C33.1 L2.1 U10.6
NetC33_2: C33.2 U10.7
NetC36_2: C36.2 U10.3
NetC37_2: C37.2 U10.4
NetC39_2: C39.2 U12.2
NetD3_3: D3.3 J1.233 R48.1 U6.1
NetJ1_4: J1.4 J2.2
NetJ1_6: J1.6 J2.3
NetJ1_10: J1.10 J2.8
NetJ1_12: J1.12 J2.9
NetJ1_16: J1.16 J2.5
NetJ1_18: J1.18 J2.6
NetJ1_99: J1.99 J3.32
NetJ1_101: J1.101 J3.22
NetJ1_103: J1.103 J3.36
NetJ1_105: J1.105 J3.34
NetJ1_114: J1.114 J2.11
NetJ1_116: J1.116 J2.12
NetJ1_121: J1.121 J3.5
NetJ1_123: J1.123 J3.3
NetJ1_124: J1.124 J3.20 R4.2
NetJ1_126: J1.126 Q1.2
NetJ1_128: J1.128 Q2.2
NetJ1_167: J1.167 J3.43
NetJ1_169: J1.169 J3.41
NetJ1_173: J1.173 J3.49
NetJ1_175: J1.175 J3.47
NetJ1_179: J1.179 J3.55 R11.1
NetJ1_182: J1.182 J3.53 R10.1
NetJ1_183: J1.183 J3.52 R9.1
NetJ1_203: J1.203 U2.3
NetJ1_205: J1.205 U2.2
NetJ1_208: J1.208 Q3.1 R20.2
NetJ1_210: J1.210 U1.2
NetJ1_212: J1.212 J3.62 R13.1
NetJ1_213: J1.213 J2.13 R5.1
NetJ1_215: J1.215 J2.14 R6.1
NetJ1_219: J1.219 J3.13
NetJ1_220: J1.220 J3.14
NetJ1_221: J1.221 J3.15
NetJ1_222: J1.222 J3.12
NetJ1_223: J1.223 J3.17
NetJ1_224: J1.224 J3.10
NetJ1_225: J1.225 J3.19
NetJ1_226: J1.226 J3.8
NetJ1_227: J1.227 J3.11
NetJ1_229: J1.229 J3.9
NetJ1_230: J1.230 R18.1 U4.3
NetJ1_232: J1.232 J3.60 R3.2
NetJ1_234: J1.234 J3.58 R2.2
NetJ1_237: J1.237 R30.1 U8.4
NetJ1_239: J1.239 R31.2 U7.2
NetJ3_50: J3.50 R1.1 U1.4
NetJ6_3: J6.3 Q3.3 R17.1
NetQ5_1: Q5.1 R53.2
NetQ5_2: Q5.2 R51.2 R52.2
NetQ6_2: Q6.2 R41.2 U7.4 U11.13
NetQ6_3: Q6.3 Q7.2 R49.1
NetQ7_3: Q7.3 R50.1
NetQ8_1: Q8.1 R24.1 R55.2 U9.2 U12.4
NetQ8_3: Q8.3 R52.1
NetR27_1: R27.1 U5.1
NetR28_2: R28.2 R29.2 U5.2
NetR33_1: R33.1 U9.4
NetR34_1: R34.1 R40.1 U11.15 U13.3
NetR35_1: R35.1 R47.2 U11.11
NetR36_1: R36.1 U11.5
NetR37_1: R37.1 U11.2
NetR38_1: R38.1 U11.1
NetR39_1: R39.1 U11.20
NetR41_1: R41.1 U10.1
NetR42_2: R42.2 R43.2 U10.2
NetR44_2: R44.2 U11.19
NetR45_2: R45.2 U3.2 U11.17
NetR46_2: R46.2 U8.2 U11.9
NetU3_3: U3.3 U11.18
UART1_RX: J5.1 R12.1 U2.7
UART1_TX: J5.2 U2.6
UART2_RX: J4.1 R15.1 U3.7
UART2_TX: J4.2 U3.6
VDD_1V8: C10.1 C14.1 C42.2 Q3.2 R2.1 R3.1 R13.2 R14.2 R16.2 R20.1 U1.5 U2.1 U2.5 U3.1 U3.5 U4.1 U13.5
VDD_3V3_SYS: C4.2 C5.2 C7.2 C9.2 C11.2 C12.2 C13.2 C34.2 C35.2 C41.2 J2.15 J3.2 J3.4 J3.72 J3.74 L2.2 R1.2 R4.1 R5.2 R6.2 R7.2 R8.2 R9.2 R10.2 R11.2 R12.2 R15.2 R34.2 R42.1 R50.2 U2.8 U3.8 U13.1
VDD_5V_SYS: C1.2 C2.2 C3.2 C15.1 C25.2 C26.2 C38.2 J6.2 L1.2 R17.2 R24.2 R28.1 R48.2 R49.2 U4.6 U8.5 U12.6
VDD_DCIN: C16.1 C17.1 C21.2 C22.2 C30.2 C31.2 Q4.1-2-5-6 Q5.3 R23.2 R27.2 R51.1 U5.8 U10.8
W_DISABLE1: J3.56 Q2.3 R8.1
W_DISABLE2: J3.54 Q1.3 R7.1
pads on no net: D4.2 J1. J1.3 J1.5 J1.9 J1.11 J1.15 J1.17 J1.21 J1.22 J1.23 J1.24 J1.27 J1.28 J1.29 J1.30 J1.33 J1.34 J1.35 J1.36 J1.39 J1.40 J1.41 J1.42 J1.45 J1.46 J1.47 J1.48 J1.51 J1.52 J1.53 J1.54 J1.57 J1.58 J1.59 J1.60 J1.63 J1.64 J1.65 J1.66 J1.69 J1.70 J1.71 J1.72 J1.75 J1.76 J1.77 J1.78 J1.81 J1.82 J1.83 J1.84 J1.87 J1.88 J1.89 J1.90 J1.91 J1.92 J1.93 J1.94 J1.95 J1.96 J1.97 J1.98 J1.100 J1.104 J1.106 J1.108 J1.109 J1.110 J1.111 J1.112 J1.115 J1.117 J1.118 J1.120 J1.122 J1.127 J1.130 J1.131 J1.133 J1.134 J1.136 J1.137 J1.139 J1.140 J1.142 J1.143 J1.145 J1.148 J1.149 J1.150 J1.151 J1.154 J1.155 J1.156 J1.157 J1.160 J1.161 J1.162 J1.163 J1.166 J1.168 J1.178 J1.180 J1.181 J1.184 J1.185 J1.186 J1.187 J1.188 J1.189 J1.190 J1.191 J1.192 J1.193 J1.194 J1.195 J1.196 J1.197 J1.198 J1.199 J1.202 J1.204 J1.206 J1.207 J1.209 J1.211 J1.214 J1.216 J1.218 J1.228 J1.235 J1.236 J1.238 J1.240 J3. J3.6 J3.16 J3.21 J3.23 J3.38 J3.40 J3.42 J3.44 J3.46 J3.48 J3.59 J3.61 J3.64 J3.65 J3.66 J3.67 J3.68 J3.70 J3.71 J3.73 J7.MH1 J7.MH2 Q4.7 U1.1 U9.1 U11.6 U11.7 U11.8 U11.10 U12.7@54.05,35.815 U12.7@54.05,36.715

## Polygon pours and split planes (outlines as drawn)
no net on Layer 1 (split plane): 90.49,49.589 90.49,1.711 89.289,0.51 1.711,0.51 0.51,1.711 0.51,49.789 1.511,50.79 89.289,50.79
no net on Layer 2 (split plane): 90.49,49.589 90.49,1.711 89.289,0.51 1.711,0.51 0.51,1.711 0.51,49.789 1.511,50.79 89.289,50.79